# Altium PCB S6.PcbDoc (part 10 of 14)
Units mil, origin at the board's own origin, x right, y up, seen from the top; angles counter-clockwise.
Board outline 5250 x 2929.55 mil, 6 copper layers (Top Layer, Mid-Layer 2, Mid-Layer 4, Mid-Layer 3, Mid-Layer 1, Bottom Layer); 345 components, 365 nets, 2233 pads, 960 vias.
Unrouted connection lines stored in the file: 1.
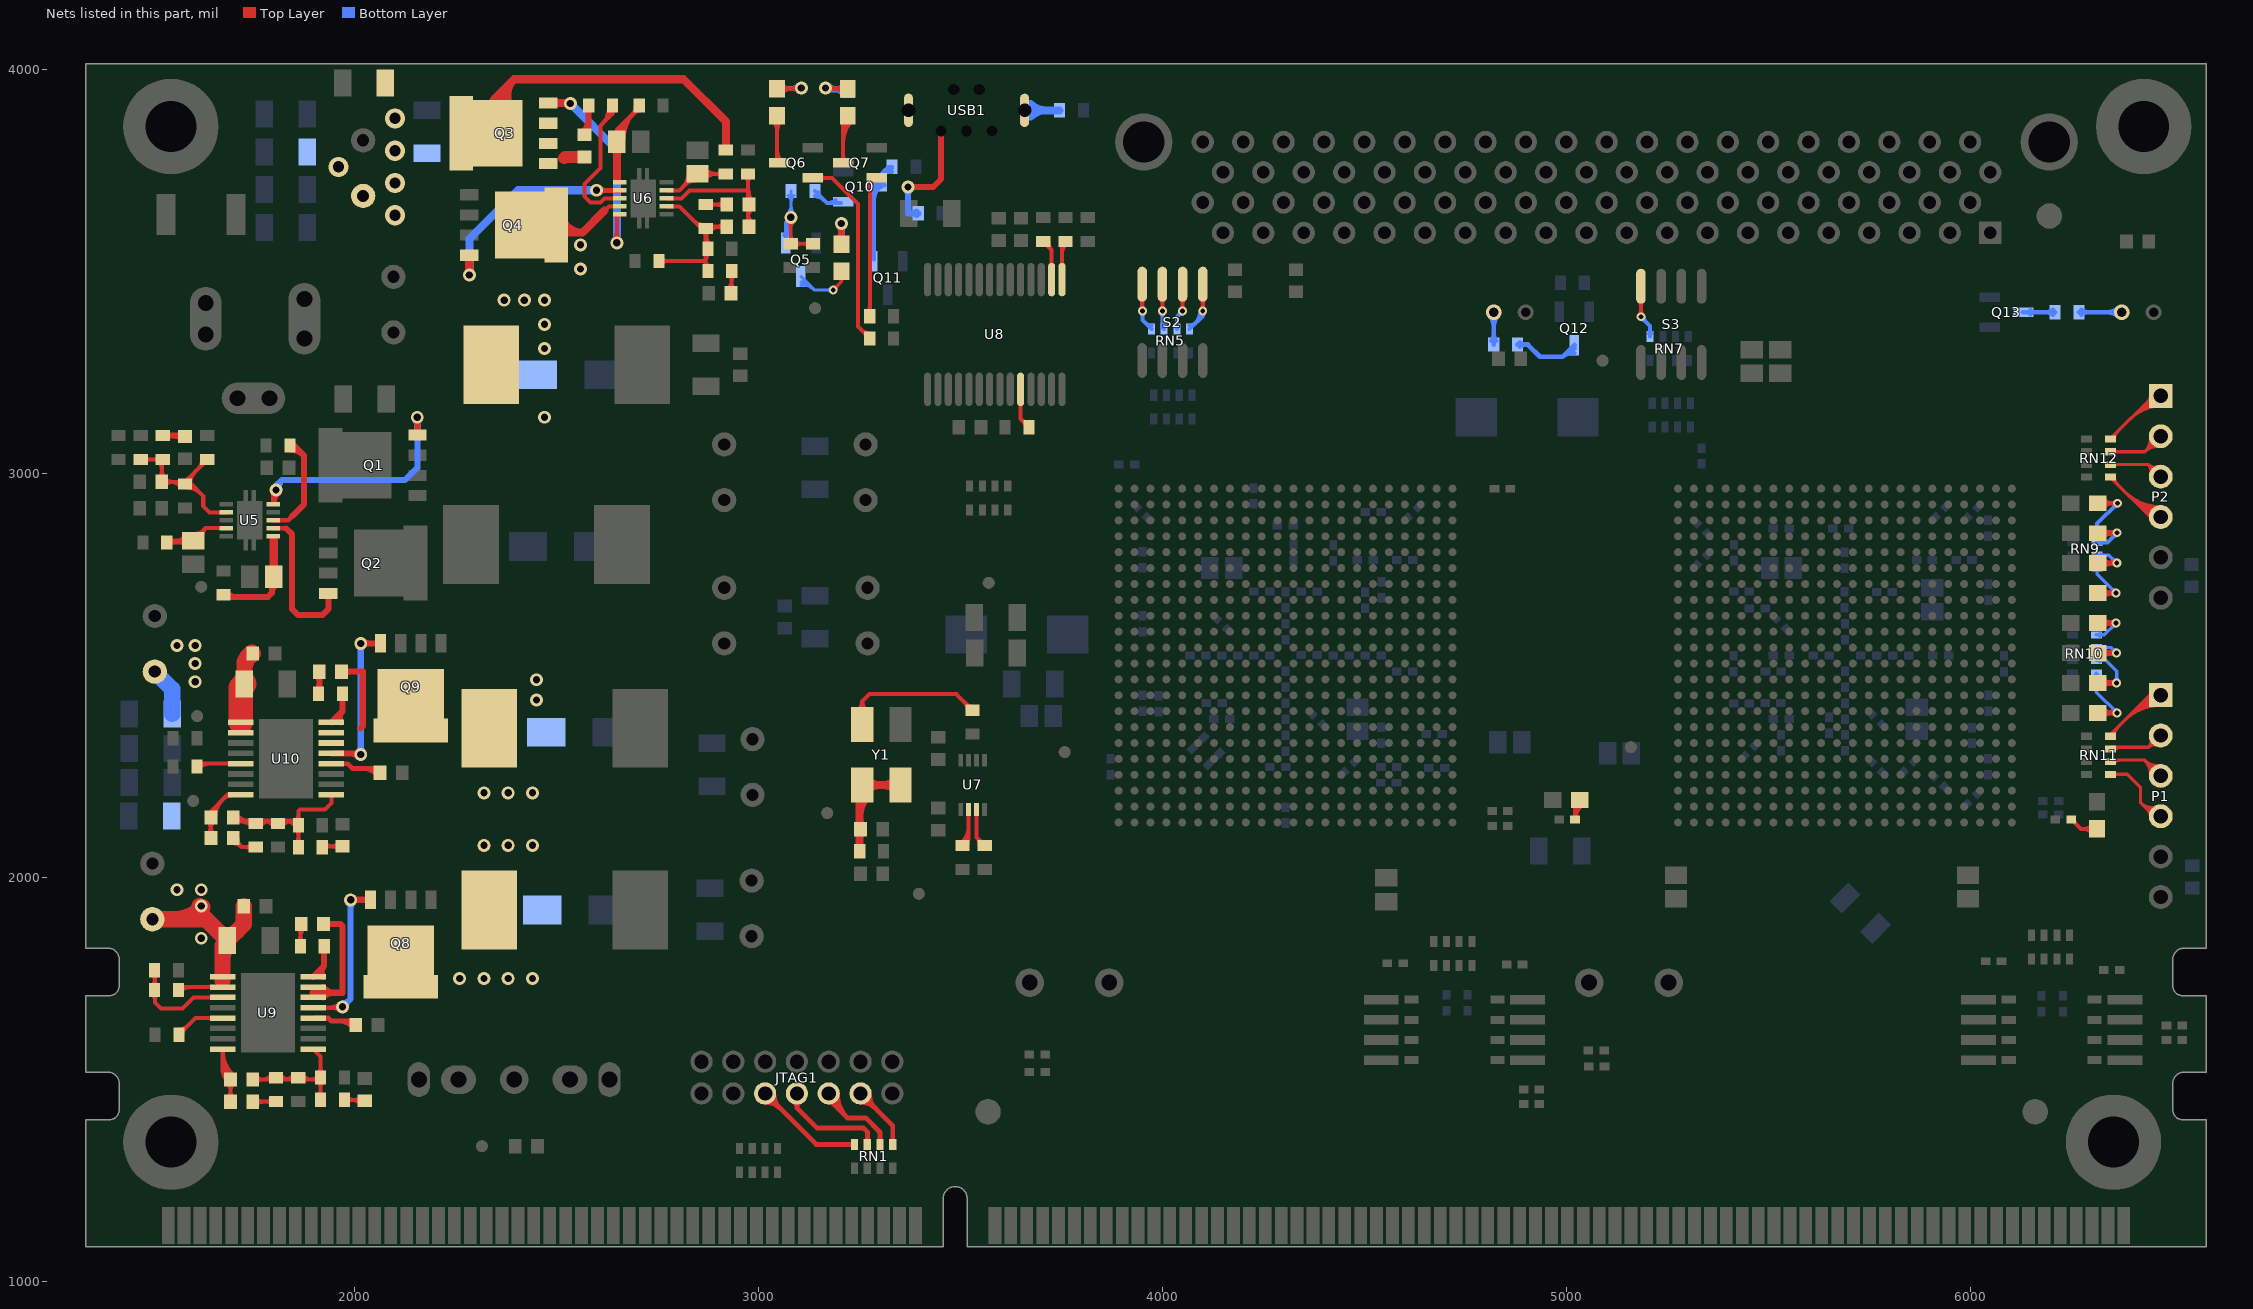
[diagram p14: the nets of this part, all layers, seen from the top]

## Via types
v1: diameter 19.68, hole 11.81, Top Layer to Bottom Layer, tented both sides, 469 vias
v2: diameter 32, hole 18, Top Layer to Bottom Layer, tented both sides, 257 vias
v3: diameter 22, hole 12, Top Layer to Bottom Layer, tented both sides, 185 vias
v4: diameter 25.59, hole 12.99, Top Layer to Bottom Layer, tented bottom, 16 vias
v5: diameter 50, hole 28, Top Layer to Bottom Layer, tented both sides, 15 vias
v6: diameter 23.62, hole 11.81, Top Layer to Bottom Layer, tented bottom, 10 vias
v7: diameter 20, hole 12, Top Layer to Bottom Layer, tented both sides, 5 vias
v8: diameter 21.65, hole 11.81, Top Layer to Bottom Layer, tented both sides, 2 vias
v9: diameter 39.37, hole 39.37, Top Layer to Bottom Layer, 1 vias

## Nets (pads, with @x,y where several pads share a name; then routed paths per layer and width w, separated by ;. In a path a pad name is that pad's centre, name@x,y a point inside that pad or via, vN(x,y) a via of type N, cw(c..) or ccw(c..) an arc to the next point about the centre after c; other vN are vias at no path point) (continued)
NetC15_2: C15.2 R28.1 R32.2 R33.1 R34.2 U5.2 | length 756
  Top Layer w10: R33.1@1470,3035.47 R34.2@1525,3035.47 1522.56,3033.03 C15.2@1522.56,2980 R28.1@1574.53,2980 ; R33.1@1480.14,3029.26 cw(c1495.13,3014.28) 1495.13,3035.47 cw(c1495.13,3056.67) R33.1@1480.14,3041.68 ; R34.2@1514.86,3041.68 cw(c1499.87,3056.67) 1499.87,3035.47 cw(c1499.87,3014.28) 1514.86,3029.26 cw(c1496.26,3010.67) 1522.56,3010.67 ; C15.2@1514.96,2989.57 ccw(c1496.61,3007.92) 1522.56,3007.92 ccw(c1548.51,3007.92) C15.2@1530.16,2989.57 ; 1522.56,3017.89 cw(c1538.65,3017.89) R34.2@1527.27,3029.26 ; C15.2@1530.16,2972.4 cw(c1548.51,2954.05) 1548.51,2980 cw(c1548.51,3005.95) C15.2@1530.16,2987.6 ; 1541.66,2980 cw(c1541.66,2940.12) R28.1@1569.86,2968.32 ; R28.1@1582.72,2974.53 cw(c1603.63,2974.53) 1588.84,2989.31 ; R28.1@1583.94,2965.75 cw(c1583.94,2916.7) 1618.62,2951.38 ; R28.1@1583.94,2975.75 cw(c1583.94,2950.85) 1601.55,2968.45 ; R28.1@1592.72,2974.53 cw(c1637.77,2974.53) 1605.91,3006.38 ; 1613.29,3013.76 ccw(c1591.58,3035.47) R32.2@1622.28,3035.47 ; R32.2@1622.8,3023.27 cw(c1631.06,3015) R32.2@1631.06,3026.69 ; R32.2@1635,3035.47 1579.53,2980 R28.1@1574.53,2980 ; U5.2@1681.93,2904.68 1640.32,2904.68 1625,2920 1625,2945 1595.47,2974.53 R28.1@1580,2974.53 R28.1@1574.53,2980
NetC16_1: C16.1 R27.1 U5.4 | length 355.5
  Top Layer w10: R27.1@1534.53,2830 1595.47,2830 C16.1@1600,2834.53 1630.79,2865.32 ; R27.1@1540.74,2823.79 cw(c1555.72,2808.8) 1555.72,2830 cw(c1555.72,2851.2) R27.1@1540.74,2836.21 ; R27.1@1540.74,2840.14 ccw(c1555.41,2854.81) 1560.78,2834.77 ; R27.1@1542.96,2830 ccw(c1542.96,2885.66) C16.1@1582.32,2846.3 ; 1564.82,2830 cw(c1564.82,2805.25) C16.1@1582.32,2822.75 ; 1567.1,2830 ccw(c1567.1,2861.52) C16.1@1589.39,2839.23 ; C16.1@1605.91,2851.18 ccw(c1605.91,2877.13) 1624.25,2858.78 ; C16.1@1622.27,2837.64 cw(c1652.67,2843.43) 1630.79,2865.31 ; U5.4@1681.93,2865.32 1630.79,2865.32
NetC17_2: C17.2 R30.2 U5.6 | length 370.7
  Top Layer w15: R30.2@1675,2700.47 1680.47,2695 1785,2695 1795,2705 1795,2740.47 C17.2@1799.53,2745 ; R30.2@1683.38,2704.91 ccw(c1707.31,2728.84) 1707.31,2695 ; C17.2@1789.52,2729.09 cw(c1776.29,2715.86) 1795,2715.86 ; 1795,2704.7 cw(c1821.85,2704.7) C17.2@1807.23,2727.22
  Top Layer w20: C17.2@1791.29,2759.15 ccw(c1771.39,2779.04) 1799.53,2779.04 ccw(c1827.66,2779.04) C17.2@1807.77,2759.15 ; C17.2@1799.53,2745 1799.53,2834.53 1800,2835
NetC19_1: C19.1 R34.1 | length 100.5
  Top Layer w15: R34.1@1525,3094.53 1578.03,3094.53 C19.1@1580,3092.56 ; R34.1@1533.38,3090.09 cw(c1544.1,3079.37) 1544.1,3094.53 cw(c1544.1,3109.69) R34.1@1533.38,3098.97 ; 1553.37,3094.53 cw(c1553.37,3067.89) C19.1@1572.2,3086.73
NetC21_1: C21.1 C22.2 C23.2 Q3.5 R35.1 R36.2 | length 1161.5
  Top Layer w20: Q3.5@2344.45,3914.72 ccw(c2342.1,3926.68) 2354.28,3926.68 ; Q3.5@2347.58,3858.68 cw(c2387.49,3894.27) 2349.68,3932.08 ; Q3.5@2354.28,3843 2354.28,3926.68 ; Q3.5@2362.51,3871.99 cw(c2403.32,3908.38) 2364.66,3947.05 ; Q3.5@2364.12,3914.72 cw(c2366.47,3926.68) 2354.28,3926.68 ; Q3.5@2377.44,3885.3 cw(c2419.15,3922.5) 2379.63,3962.02 ; Q3.5@2392.36,3898.61 cw(c2434.98,3936.62) 2394.6,3977 ; R36.2@2919,3801.53 2919,3872 2814,3977 2394.61,3977 ; 2354.28,3926.68 2349.28,3931.68 2394.61,3977
  other v5: 2100,3640 2100,3720 1960,3760 2100,3800 2100,3880
NetC24_1: C24.1 C30.1 R40.2 U6.3 | length 647.9
  Top Layer w10: U6.3@2772.07,3682 2809,3682 2829,3702 2974,3702 ; C30.1@2968.96,3621.57 ccw(c2956.79,3633.74) 2974,3633.74 ; C24.1@2968.96,3657.43 cw(c2956.79,3645.26) 2974,3645.26 ; 2974,3632.91 cw(c3008.68,3632.91) C24.1@2984.16,3657.43 ; 2974,3646.09 ccw(c3008.68,3646.09) C30.1@2984.16,3621.57 ; 2974,3688.74 cw(c2956.79,3688.74) 2968.96,3676.57 ccw(c2950.61,3694.92) 2976.56,3694.92 ccw(c3002.51,3694.92) 2984.16,3676.57 cw(c3008.68,3701.09) 2974,3701.09 ; C30.1@2976.56,3612 2974,3614.56 2974,3702 ; C24.1@2976.56,3667 2976.56,3699.44 2974,3702 ; 2974,3702 R40.2@2974,3742.47 2974,3702 ; 2974,3721.28 cw(c2995.2,3721.28) 2980.21,3736.26 ccw(c2995.2,3721.28) 2974,3721.28 ; 2974,3721.28 ccw(c2952.8,3721.28) 2967.79,3736.26 cw(c2952.8,3721.28) 2974,3721.28
NetC24_2: C24.2 R37.2 | length 126.7
  Top Layer w10: R37.2@2869,3666.53 2920.97,3666.53 C24.2@2921.44,3667 ; R37.2@2879.14,3660.32 cw(c2894.13,3645.33) 2894.13,3666.53 cw(c2894.13,3687.72) R37.2@2879.14,3672.74 ; 2894.35,3666.53 ccw(c2894.35,3694.09) C24.2@2913.84,3674.6 ; 2896.63,3666.53 cw(c2896.63,3642.19) C24.2@2913.84,3659.4
NetC25_1: C25.1 D2.2 L2.1 Q3.1 Q3.2 Q3.3 Q4.5 U6.9 | length 295.8
  Top Layer w10: 2619,3652 2629.32,3662.32 U6.9@2655.93,3662.32
  Top Layer w20: Q4.5@2498.85,3615.77 ccw(c2530.4,3632.88) 2530.4,3597 ; Q4.5@2516.43,3625.31 ccw(c2564,3651.11) 2564,3597 ; 2534.8,3597 2564,3597 ; 2619,3652 2564,3597
  Top Layer w30: 2519,3782 2521.44,3784.44 C25.1@2569,3784.44
  other v2: 2470,3140 2470,3310 2470,3370 2370,3430 2420,3430 2470,3430 2559,3507 2559,3567
NetC25_2: C25.2 R38.1 | length 123
  Top Layer w15: C25.2@2565.14,3845.39 ccw(c2531.67,3878.86) 2579,3878.86 ; R38.1@2575.03,3903.62 cw(c2565.45,3894.04) 2579,3894.04 ; C25.2@2579,3852 R38.1@2579,3913.97 ; 2579,3891.76 cw(c2595.77,3891.76) R38.1@2583.91,3903.62
NetC30_2: C30.2 R37.1 R44.2 R45.2 R46.2 U6.2 | length 648
  Top Layer w10: R45.2@2753.53,3527 2869,3527 ; R45.2@2759.74,3520.79 cw(c2774.72,3505.8) 2774.72,3527 cw(c2774.72,3548.2) R45.2@2759.74,3533.21 ; U6.2@2772.07,3662.32 2803.68,3662.32 2858.53,3607.47 R37.1@2869,3607.47 ; 2838.92,3627.08 ccw(c2865.06,3653.23) R37.1@2865.06,3616.25 ; R37.1@2862.79,3601.26 cw(c2847.8,3586.28) 2869,3586.28 cw(c2890.2,3586.28) R37.1@2875.21,3601.26 ; 2869,3526.43 cw(c2892.23,3526.43) R44.2@2879.34,3545.76 ; R37.1@2869,3595.34 ccw(c2908.88,3595.34) R44.2@2880.68,3567.14 ; 2871.23,3587.02 cw(c2881.8,3589.85) R37.1@2876.88,3599.63 ; R46.2@2874.47,3502 2869,3507.47 2869,3527 ; R46.2@2877.74,3514.09 cw(c2882.91,3527) 2869,3527 ; R37.1@2879.14,3601.26 cw(c2905.06,3575.35) 2905.06,3612 ; C30.2@2913.84,3604.4 ccw(c2895.49,3586.05) 2895.49,3612 ccw(c2895.49,3637.95) C30.2@2913.84,3619.6 ; C30.2@2921.44,3612 2873.53,3612 R37.1@2869,3607.47 ; 2869,3527 R37.1@2869,3607.47
NetC31_2: C31.2 R36.1 U6.4 | length 323.4
  Top Layer w10: U6.4@2772.07,3701.68 2803.68,3701.68 2844.47,3742.47 C31.2@2849,3742.47 R36.1@2919,3742.47 ; 2813.69,3711.69 ccw(c2782.91,3742.47) C31.2@2826.44,3742.47 ; 2817.02,3715.02 cw(c2843.09,3688.94) C31.2@2843.09,3725.82 ; C31.2@2866.68,3730.7 cw(c2895.11,3702.27) 2895.11,3742.47 cw(c2895.11,3782.68) C31.2@2866.68,3754.25 ; R36.1@2908.85,3736.26 ccw(c2893.87,3721.28) 2893.87,3742.47 ccw(c2893.87,3763.67) R36.1@2908.85,3748.68
NetC32_1: C32.1 R41.2 U6.6 | length 519.7
  Top Layer w10: C32.1@2643.31,3843.38 ccw(c2639.68,3852.47) 2649.47,3852.47 ; C32.1@2646.13,3827.91 cw(c2697.36,3827.91) 2661.13,3864.13 ; C32.1@2649.47,3822 2649.47,3852.47 ; C32.1@2655.64,3843.38 cw(c2659.26,3852.47) 2649.47,3852.47 ; C32.1@2656.13,3827.91 cw(c2731.5,3827.91) 2678.2,3881.2 ; C32.1@2666.13,3827.91 cw(c2765.64,3827.91) R41.2@2695.27,3898.27 ; 2688.04,3887.84 cw(c2711.03,3871.9) R41.2@2706.04,3899.42 ; 2689.07,3892.07 ccw(c2673.07,3908.06) R41.2@2695.69,3908.06 ; 2690.49,3893.49 cw(c2704.47,3879.51) R41.2@2704.47,3899.28 ; R41.2@2693.5,3895.71 ccw(c2681.64,3903.93) R41.2@2695.83,3906.5 ; R41.2@2704.47,3912 2704.47,3907.47 2649.47,3852.47
  Top Layer w20: C32.1@2641.23,3807.85 cw(c2621.34,3787.96) 2649.47,3787.96 cw(c2677.61,3787.96) C32.1@2657.71,3807.85 ; 2649,3727 2649.47,3727.47 C32.1@2649.47,3822
NetC33_1: C33.1 R46.1 | length 129.9
  Top Layer w10: C33.1@2923.96,3456.57 ccw(c2900.86,3479.67) 2933.53,3479.67 ; R46.1@2927.32,3491.85 cw(c2912.33,3476.87) 2933.53,3476.87 cw(c2954.72,3476.87) R46.1@2939.74,3491.85 ; C33.1@2931.56,3447 2933.53,3448.97 R46.1@2933.53,3502 ; 2933.53,3470.16 ccw(c2952.75,3470.16) C33.1@2939.16,3456.57
NetC35_2: C35.2 R47.1 Y1.1 Y1.4 | length 493.4
  Top Layer w20: Y1.4@3244.36,2201.05 cw(c3229.59,2186.28) Y1.4@3250.47,2186.28 ; R47.1@3250.47,2065 3250.47,2222.91 Y1.4@3256.77,2229.21 Y1.1@3351.26,2229.21 ; 3250.47,2099.4 cw(c3271.07,2099.4) C35.2@3256.51,2113.97 ; 3250.47,2140.6 ccw(c3271.07,2140.6) C35.2@3256.51,2126.03 ; 3250.47,2155.87 cw(c3314.37,2155.87) Y1.4@3269.19,2201.05 ; Y1.4@3269.19,2216.8 cw(c3299.16,2186.82) 3299.16,2229.21 cw(c3299.16,2271.6) Y1.4@3269.19,2241.63 ; Y1.1@3338.84,2216.8 ccw(c3308.87,2186.82) 3308.87,2229.21 ccw(c3308.87,2271.6) Y1.1@3338.84,2241.63
NetC153_1: C153.1 R62.2 | length 130.3
  Top Layer w10: R62.2@1859.26,1840.14 ccw(c1844.28,1855.13) 1865.47,1855.13 ccw(c1886.67,1855.13) R62.2@1871.68,1840.14 ; C153.1@1859.84,1875.43 cw(c1846.25,1861.84) 1865.47,1861.84 ; R62.2@1865.47,1830 1865.47,1882.03 C153.1@1868.44,1885 ; 1865.47,1852.33 cw(c1898.14,1852.33) C153.1@1875.04,1875.43
NetC153_2: C153.2 D3.2 L3.1 Q8.5 U9.14 U9.15 | length 387.1
  Top Layer w15: 1895,1715 1970,1715 1970,1880 1965,1885 C153.2@1922.56,1885 ; U9.14@1921.38,1703.82 cw(c1948.38,1676.82) 1948.38,1715 ; U9.15@1921.38,1728.54 ccw(c1954.08,1761.24) 1954.08,1715 ; C153.2@1928.39,1879.17 cw(c1942.47,1865.09) 1942.47,1885 cw(c1942.47,1904.91) C153.2@1928.39,1890.83
  other v2: 2260,1750 2320,1750 2380,1750 2440,1750 2320,2080 2380,2080 2440,2080
NetC154_1: C154.1 C156.2 C157.2 R61.1 R63.1 U9.1 U9.2 | length 790.9
  Top Layer w10: R63.1@1563.53,1722 1570.5,1728.98 U9.2@1672.8,1728.98 ; R63.1@1569.74,1719.73 cw(c1592.06,1697.4) 1592.06,1728.98 ; R63.1@1569.74,1732.14 ccw(c1577.39,1739.79) 1577.39,1728.98
  Top Layer w40: C154.1@1499,1897 1631.85,1897 C156.2@1684.85,1844 ; 1549.99,1897 ccw(c1549.99,2000.01) v2@1622.83,1927.17 ; 1661.87,1866.99 ccw(c1684.85,1889.97) 1684.85,1857.46 ccw(c1684.85,1889.97) 1707.84,1866.99 ; 1673,1745 1673,1832.15 C156.2@1684.85,1844 ; 1673,1799.59 cw(c1717.45,1799.59) C156.2@1686.02,1831.02 ; C157.2@1725.44,1929 1725.44,1884.59 C156.2@1684.85,1844 ; v2@1616,1930 ccw(c1657.4,1930) 1628.13,1900.72 cw(c1657.4,1930) v2@1616,1930
  other v2: 1620,1850 1620,1930 1560,1970 1620,1970
NetC159_2: C159.2 U9.12 | length 164.6
  Top Layer w12: U9.12@1897.2,1652.2 1935,1652.2 1942.2,1645 1987.44,1645 C159.2@1997.44,1635 ; 1959.52,1645 cw(c1959.52,1594.04) C159.2@1995.55,1630.08 ; C159.2@1988.49,1645 cw(c1988.49,1623.02) C159.2@2004.03,1638.56
NetC160_1: C160.1 C162.1 U9.8 | length 419.7
  Top Layer w10: 1672.8,1527.06 ccw(c1717.53,1527.06) C162.1@1685.9,1495.43 ; 1672.8,1551.2 ccw(c1741.68,1551.2) C162.1@1692.97,1502.5 ; U9.8@1672.8,1575.35 ccw(c1765.82,1575.35) C162.1@1700.04,1509.57 ; U9.8@1672.8,1575.43 1672.8,1519.65 ; 1675.48,1516.96 cw(c1660.5,1501.97) C162.1@1681.69,1501.97 ; C160.1@1684.84,1454.57 ccw(c1666.49,1472.92) 1692.44,1472.92 ccw(c1718.39,1472.92) C160.1@1700.04,1454.57 ; C162.1@1684.84,1490.43 cw(c1666.49,1472.08) 1692.44,1472.08 cw(c1718.39,1472.08) C162.1@1700.04,1490.43 ; C162.1@1691.62,1512.68 cw(c1689.77,1536.62) 1672.8,1519.64 ; C160.1@1692.44,1445 C162.1@1692.44,1500 1672.8,1519.65
NetC160_2: C160.2 R67.1 | length 131.7
  Top Layer w10: C160.2@1747.56,1445 1748.03,1445.47 R67.1@1805,1445.47 ; C160.2@1755.16,1437.4 cw(c1774.65,1417.91) 1774.65,1445.47 ; C160.2@1755.16,1452.6 ccw(c1772.37,1469.81) 1772.37,1445.47 ; R67.1@1794.85,1439.26 ccw(c1779.87,1424.28) 1779.87,1445.47 ccw(c1779.87,1466.67) R67.1@1794.85,1451.68
NetC161_1: C161.1 R68.1 | length 125.6
  Top Layer w10: R68.1@1974.53,1450 2022.44,1450 C161.1@2025,1447.44 ; R68.1@1980.74,1443.79 cw(c1995.72,1428.8) 1995.72,1450 cw(c1995.72,1471.2) R68.1@1980.74,1456.21 ; 1990.91,1450 cw(c1990.91,1415.32) C161.1@2015.43,1439.84 ; 2003.26,1450 ccw(c2003.26,1467.21) C161.1@2015.43,1455.04
NetC162_2: C162.2 R66.2 R67.2 R68.2 R69.2 U9.9 | length 592.1
  Top Layer w10: C162.2@1747.56,1500 1910.47,1500 R66.2@1915.47,1505 ; C162.2@1755.16,1492.4 cw(c1773.51,1474.05) 1773.51,1500 cw(c1773.51,1525.95) C162.2@1755.16,1507.6 ; 1768.94,1500 ccw(c1768.94,1536.65) R67.2@1794.85,1510.74 ; R67.2@1815.14,1510.74 ccw(c1841.06,1536.65) 1841.06,1500 ; 1823.94,1500 ccw(c1823.94,1536.65) R69.2@1849.85,1510.74 ; R69.2@1870.14,1510.74 ccw(c1896.06,1536.65) 1896.06,1500 ; 1891.71,1500 ccw(c1891.71,1524.82) R66.2@1909.26,1507.27 ; 1896.84,1500 cw(c1896.84,1482.43) 1909.26,1494.85 cw(c1894.28,1479.87) 1915.47,1479.87 cw(c1936.67,1479.87) R66.2@1921.68,1494.85 ; U9.9@1897.2,1575.43 1915.47,1557.17 R66.2@1915.47,1505 ; R68.2@1909.26,1460.14 ccw(c1894.28,1475.13) 1915.47,1475.13 ccw(c1936.67,1475.13) R68.2@1921.68,1460.14 ; R66.2@1909.26,1515.14 ccw(c1894.28,1530.13) 1915.47,1530.13 ccw(c1936.67,1530.13) R66.2@1921.68,1515.14 ; R68.2@1915.47,1450 R66.2@1915.47,1505
NetC164_1: C164.1 D4.2 L4.1 Q9.5 U10.14 U10.15 | length 225.8
  Top Layer w15: C164.1@1967.56,2510 2020,2510 2020,2375 2015,2370 ; C164.1@1973.39,2504.17 cw(c1987.47,2490.09) 1987.47,2510 cw(c1987.47,2529.91) C164.1@1973.39,2515.83
  other v2: 2320,2210 2380,2210 2440,2210 2450,2440 2450,2490
NetC164_2: C164.2 R71.2 | length 104.3
  Top Layer w15: R71.2@1906.03,2463.38 ccw(c1890.56,2478.85) 1912.44,2478.85 ; C164.2@1906.61,2502.2 cw(c1892.53,2488.12) 1912.44,2488.12 cw(c1932.35,2488.12) C164.2@1918.27,2502.2 ; R71.2@1910.47,2455 1912.44,2456.97 C164.2@1912.44,2510
NetC165_1: C165.1 C167.2 C168.2 R70.1 U10.1 U10.2 | length 391
  Top Layer w40: C167.2@1726.85,2480 1726.85,2534.41 C168.2@1747.44,2555 ; 1726.85,2513.59 cw(c1786.89,2513.59) C168.2@1744.43,2556.04 ; 1726.85,2525.27 cw(c1762.86,2525.27) C168.2@1745.38,2556.75
  Top Layer w60: U10.1@1717.8,2384.57 1717.8,2470.94 C167.2@1726.85,2480
  Bottom Layer w40: C165.1@1505,2510 1548.15,2466.85 R70.1@1548.15,2405
  other v2: 1605,2485 1605,2530 1560,2575 1605,2575
NetC170_1: C170.1 U10.12 | length 186.7
  Top Layer w12: U10.12@1942.2,2282.2 1982.8,2282.2 1995,2270 2052.44,2270 C170.1@2062.44,2260 ; 2019.52,2270 cw(c2019.52,2219.05) C170.1@2055.55,2255.08 ; C170.1@2048.49,2270 cw(c2048.49,2248.02) C170.1@2064.03,2263.56
NetC171_1: C171.1 C173.1 U10.8 | length 330.3
  Top Layer w10: C171.1@1636.84,2107.57 ccw(c1623.32,2121.09) 1642.44,2121.09 ; C173.1@1636.84,2139.43 cw(c1623.32,2125.91) 1642.44,2125.91 ; C171.1@1642.44,2098 1642.44,2162.44 1685.43,2205.43 U10.8@1717.8,2205.43 ; 1642.44,2116.26 cw(c1675.22,2116.26) C173.1@1652.04,2139.43 ; 1642.44,2130.74 ccw(c1675.22,2130.74) C171.1@1652.04,2107.57 ; C173.1@1645.19,2150.97 cw(c1679.52,2150.97) 1655.24,2175.24 ; C173.1@1655.19,2150.97 cw(c1713.66,2150.97) 1672.32,2192.32 ; 1676.72,2196.72 cw(c1693.19,2180.26) U10.8@1693.19,2203.54
NetC171_2: C171.2 R73.2 | length 140.8
  Top Layer w10: C171.2@1697.56,2098 1720.09,2075.47 R73.2@1755,2075.47 ; C171.2@1699.56,2085.28 cw(c1699.56,2059.41) 1717.85,2077.71 ; C171.2@1710.31,2096.03 ccw(c1736.33,2096.03) 1717.93,2077.63 ; R73.2@1744.86,2069.26 ccw(c1729.87,2054.28) 1729.87,2075.47 ccw(c1729.87,2096.67) R73.2@1744.86,2081.68
NetC172_1: C172.1 R75.1 | length 125.5
  Top Layer w10: R75.1@1919.53,2075 1921.97,2077.44 C172.1@1970,2077.44 ; R75.1@1925.74,2072.73 cw(c1937.11,2061.35) 1937.11,2077.44 ; R75.1@1925.74,2085.14 ccw(c1944.33,2103.74) 1944.33,2077.44 ; C172.1@1960.43,2069.84 ccw(c1942.08,2051.49) 1942.08,2077.44 ccw(c1942.08,2103.39) C172.1@1960.43,2085.04
NetC173_2: C173.2 R73.1 R74.2 R75.2 R77.1 U10.9 | length 812.2
  Top Layer w10: C173.2@1697.56,2149 1705.56,2141 R74.2@1849.47,2141 ; C173.2@1700.09,2147.56 ccw(c1715.93,2163.4) 1715.93,2141 ; C173.2@1704.93,2137.72 cw(c1714.45,2121.24) 1719.37,2139.62 ; C173.2@1707.16,2154.63 ccw(c1740.07,2187.54) R73.1@1740.07,2141 ; C173.2@1708.87,2152.41 ccw(c1737.33,2168.84) 1728.82,2137.09 ; C173.2@1714.24,2141 cw(c1714.24,2097.71) R73.1@1744.86,2128.32 ; R73.1@1738.38,2141 cw(c1738.38,2121.85) R73.1@1751.93,2135.39 ; R73.1@1758.07,2135.39 cw(c1771.62,2121.85) R73.1@1771.62,2141 ; R73.1@1765.15,2128.32 cw(c1795.76,2097.71) R77.1@1795.76,2141 ; R73.1@1769.24,2141 cw(c1769.24,2097.71) R77.1@1799.86,2128.32 ; R77.1@1793.38,2141 cw(c1793.38,2121.85) R77.1@1806.93,2135.39 ; R77.1@1813.05,2135.37 cw(c1826.17,2122.9) R77.1@1826.17,2141 ; R77.1@1820.3,2128.48 cw(c1849.47,2100.76) R74.2@1849.47,2141 ; R77.1@1822.22,2141 cw(c1822.22,2095.69) R74.2@1854.26,2127.73 ; 1846.37,2141 cw(c1846.37,2119.83) R74.2@1861.34,2134.8 ; R75.2@1854.26,2085.14 ccw(c1839.28,2100.13) 1860.47,2100.13 ccw(c1881.67,2100.13) R75.2@1866.68,2085.14 ; R74.2@1854.26,2119.85 cw(c1839.28,2104.87) 1860.47,2104.87 cw(c1881.67,2104.87) R74.2@1866.68,2119.85 ; R74.2@1854.26,2140.14 ccw(c1839.28,2155.13) 1860.47,2155.13 ccw(c1881.67,2155.13) R74.2@1866.68,2140.14 ; R75.2@1860.47,2075 R74.2@1860.47,2130 ; U10.9@1942.2,2205.43 1942.2,2185.2 1926,2169 1865,2169 1860.47,2164.47 R74.2@1860.47,2130 ; R74.2@1849.47,2141 R74.2@1860.47,2130
NetDONE1_2: DONE1.2 R12.1 | length 127
  Top Layer w10: R12.1@5018.26,2147.42 ccw(c5009.99,2155.69) 5021.69,2155.69 ccw(c5033.38,2155.69) R12.1@5025.11,2147.42 ; R12.1@5021.69,2143.01 cw(c5068.24,2143.01) DONE1.2@5040.31,2180.25 ; R12.1@5021.69,2144 DONE1.2@5021.69,2180.22 ; 5021.68,2163.01 cw(c5053.24,2163.01) DONE1.2@5034.31,2188.25
NetDONE2_2: DONE2.2 R21.1 | length 141.6
  Top Layer w10: R21.1@6250.69,2144 6274.15,2120.54 DONE2.2@6314,2120.54 ; R21.1@6257.5,2144 ccw(c6273.94,2144) 6262.31,2132.37 ; DONE2.2@6303.62,2110.15 ccw(c6278.55,2085.08) 6278.55,2120.54 ccw(c6278.55,2155.99) DONE2.2@6303.62,2130.92
NetFAN1_1: FAN1.1 R82.2 | length 161.2
  Bottom Layer w12: FAN1.1@4810.95,3390.32 cw(c4787.97,3367.34) 4820.47,3367.34 ; R82.2@4814.97,3329.44 ccw(c4801.69,3342.72) 4820.47,3342.72 ccw(c4839.25,3342.72) R82.2@4825.97,3329.44 ; R82.2@4820.47,3320 FAN1.1@4820.47,3399.84 ; 4820.47,3366.58 cw(c4854.05,3366.58) FAN1.1@4830.31,3390.32
NetFAN2_1: FAN2.1 R83.2 | length 187.5
  Bottom Layer w12: R83.2@6269.53,3400 FAN2.1@6375.63,3400 ; R83.2@6275.03,3394.5 cw(c6288.31,3381.22) 6288.31,3400 cw(c6288.31,3418.78) R83.2@6275.03,3405.5 ; FAN2.1@6365.95,3390.32 ccw(c6342.59,3366.96) 6342.59,3400 ccw(c6342.59,3433.04) FAN2.1@6365.95,3409.68
NetJTAG1_4: JTAG1.4 RN1.1 | length 240.9
  Top Layer w12: JTAG1.4@3252.48,1444.07 cw(c3252.48,1392.02) 3289.28,1428.83 cw(c3326.09,1465.63) JTAG1.4@3274.04,1465.63 ; JTAG1.4@3252.48,1465.63 3332.24,1385.87 RN1.1@3332.24,1339.53
NetJTAG1_6: JTAG1.6 RN1.2 | length 330.5
  Top Layer w12: JTAG1.6@3173.74,1444.07 cw(c3173.74,1426.72) 3186.01,1438.99 ; JTAG1.6@3173.74,1465.63 3173.74,1451.26 3220,1405 ; JTAG1.6@3183.3,1465.54 ccw(c3239.57,1465.01) 3199.78,1425.22 ; JTAG1.6@3195.3,1465.43 ccw(c3279.63,1464.64) 3220,1405 ; RN1.2@3300.75,1339.53 3300.75,1369.25 3265,1405 3220,1405
NetJTAG1_8: JTAG1.8 RN1.3 | length 306.9
  Top Layer w12: JTAG1.8@3085,1446.53 cw(c3076.34,1430) 3095,1430 ; JTAG1.8@3095,1465.63 3095,1430 ; JTAG1.8@3105,1446.53 ccw(c3113.66,1430) 3095,1430 ; RN1.3@3269.25,1339.53 3270,1340.28 3270,1370 3260,1380 3145,1380 3095,1430
NetJTAG1_10: JTAG1.10 RN1.4 | length 355.5
  Top Layer w12: JTAG1.10@3016.26,1444.07 cw(c3016.26,1392.02) 3053.06,1428.83 cw(c3089.87,1465.63) JTAG1.10@3037.82,1465.63 ; JTAG1.10@3016.26,1465.63 3142.36,1339.53 RN1.4@3237.76,1339.53
NetLED1_2: LED1.2 RN9.5 | length 251
  Top Layer w10: LED1.2@6316.46,2927 v3(6365,2927) ; LED1.2@6328.82,2916.62 cw(c6353.89,2891.55) 6353.89,2927 cw(c6353.89,2962.45) LED1.2@6328.82,2937.38 ; v3@6360.76,2922.76 ccw(c6350.52,2912.52) 6350.52,2927 ccw(c6350.51,2941.49) v3@6360.76,2931.24
  Bottom Layer w10: RN9.5@6311.8,2863.97 ccw(c6305.21,2870.56) 6314.53,2870.56 ccw(c6323.84,2870.56) RN9.5@6317.26,2863.97 ; RN9.5@6314.53,2861.24 6314.53,2876.53 v3(6365,2927) ; v3@6359,2927 cw(c6344.51,2927) 6354.76,2916.76 cw(c6365,2906.51) v3@6365,2921